# Altium PCB Graviton-EC2-Simplified.PcbDoc (part 7 of 9)
Units mm, origin at the board's own origin, x right, y up, seen from the top; angles counter-clockwise.
Board outline 200 x 200 mm, 10 copper layers (Top Layer, Internal Plane 1, Signal Layer 1, Internal Plane 2, Signal Layer 2, Signal Layer 3, Internal Plane 3, Signal Layer 4, Internal Plane 4, Bottom Layer), stack 1.674 mm thick; 774 components, 1540 nets, 6310 pads, 1698 vias.
Unrouted connection lines stored in the file: 74.
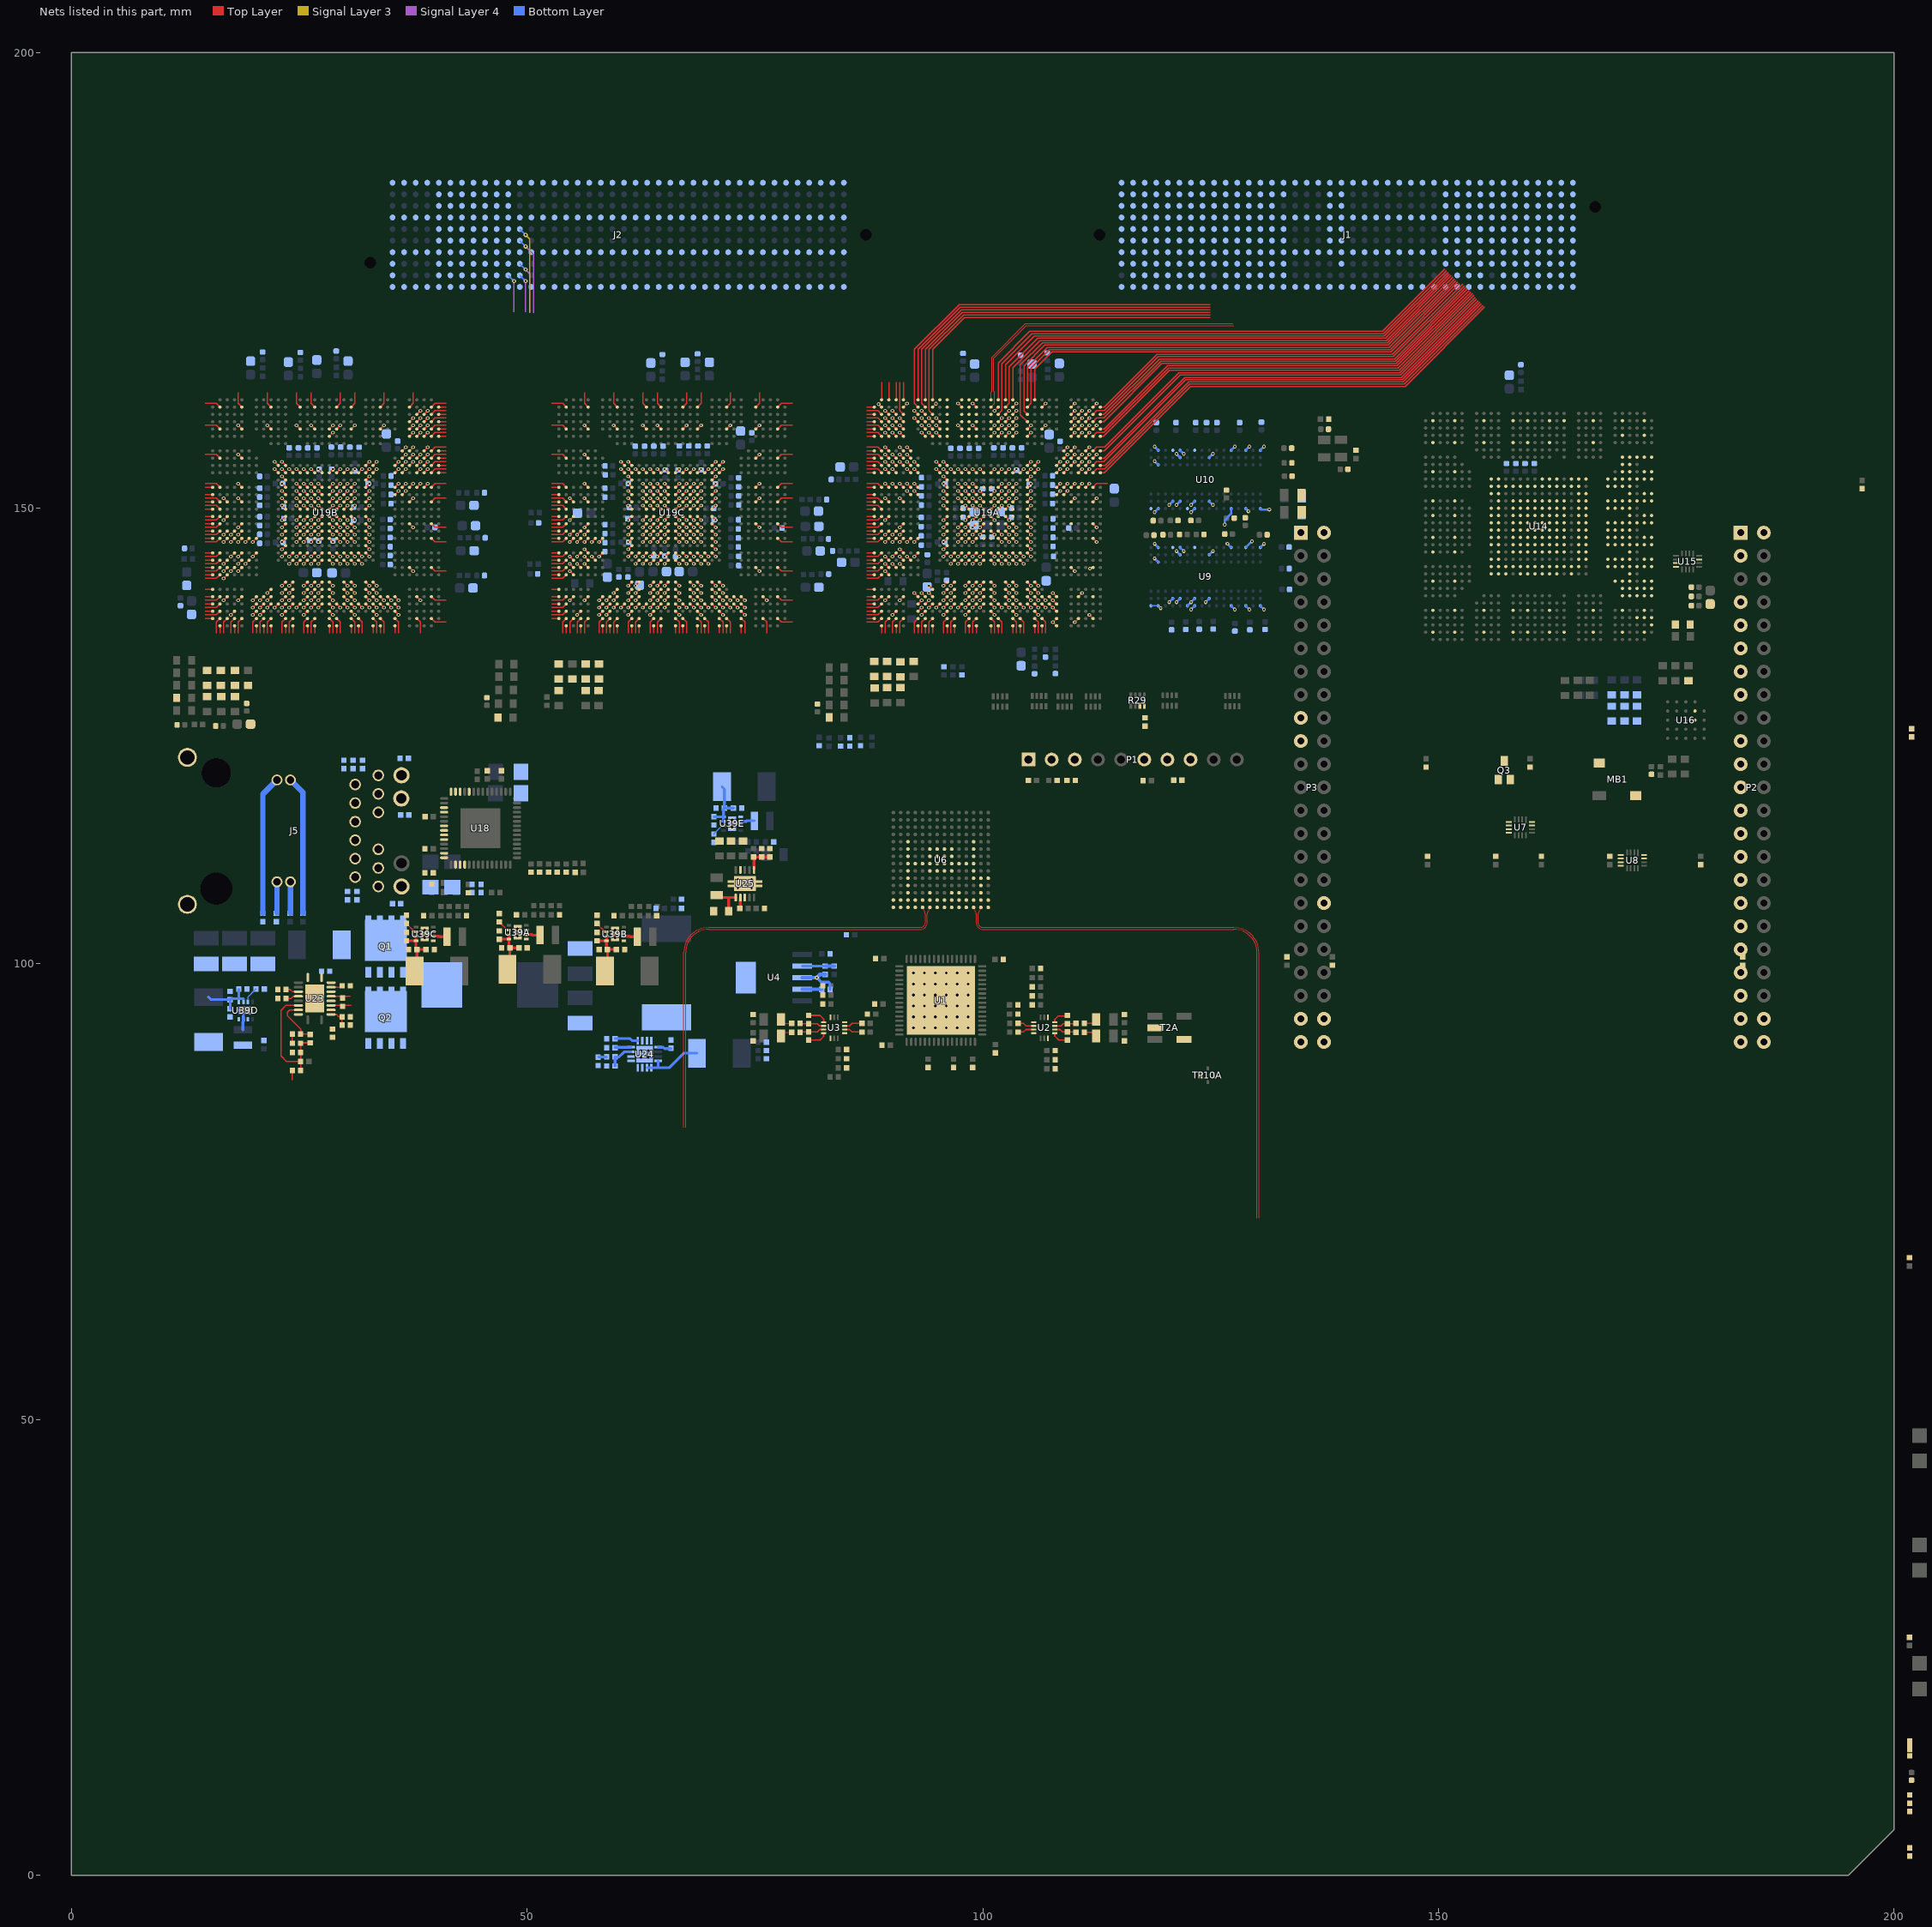
[diagram p15: the nets of this part, all layers, seen from the top]

## Via types
v1: diameter 0.406, hole 0.203, Top Layer to Bottom Layer, 1443 vias
v2: diameter 0.406, hole 0.203, Top Layer to Bottom Layer, tented top, 173 vias
v3: diameter 0.66, hole 0.305, Top Layer to Bottom Layer, tented top, 36 vias
v4: diameter 0.457, hole 0.203, Top Layer to Bottom Layer, 29 vias
v5: diameter 0.6, hole 0.3, Top Layer to Bottom Layer, 10 vias
v6: diameter 0.457, hole 0.203, Top Layer to Bottom Layer, tented bottom, 5 vias
v7: diameter 0.406, hole 0.203, Top Layer to Bottom Layer, tented both sides, 2 vias

## Nets (pads, with @x,y where several pads share a name; then routed paths per layer and width w, separated by ;. In a path a pad name is that pad's centre, name@x,y a point inside that pad or via, vN(x,y) a via of type N, cw(c..) or ccw(c..) an arc to the next point about the centre after c; other vN are vias at no path point) (continued)
GND: (continued)
  Bottom Layer w0.254: U9.F9@122.46,139.294 v2(122.86,139.694) ; v2(124.466,139.7) U9.J8@124.86,140.094 ; v2(126.562,148.209) 126.562,148.695 127.26,149.393 U10.M9@127.26,149.962 ; v2(126.855,146.1) U9.M1@127.26,145.694 ; U9.P1@128.861,145.694 v2(129.54,146.374) ; U10.P9@128.867,149.962 v2(129.159,149.669) ; U10.T9@130.467,149.962 U10.T9@130.461,149.962 ccw(c130.562,149.962) 130.562,149.86 v2(131.445,149.86)
  Bottom Layer w0.3: v4(81.8,98.5) 82.3,98 83.1,98 83.255,97.845 C33.1@83.255,97.2
  Bottom Layer w0.4: U4.3@80.2,98.5 v4(81.8,98.5) 82.145,98.845 C26.1@82.7,98.845
  other v2: 122.86,138.894 127.66,138.894 129.261,138.894 130.861,138.894 119.532,139.04 120.459,139.694 121.26,139.694 118.859,144.494 121.26,145.294 122.06,145.294 125.26,145.294 118.859,146.094 130.861,146.094 118.859,149.562 122.86,149.562 120.459,150.362 121.26,150.362 122.86,150.362 125.26,150.362 118.859,155.162 121.26,155.962 122.06,155.962 125.26,155.962 118.859,156.762 127.66,156.762 129.261,156.762 130.861,156.762
  other v3: 92.4,93 93.6,93 94.8,93 96,93 97.2,93 98.4,93 92.4,94.2 93.6,94.2 94.8,94.2 96,94.2 97.2,94.2 98.4,94.2 92.4,95.4 93.6,95.4 94.8,95.4 96,95.4 97.2,95.4 98.4,95.4 92.4,96.6 93.6,96.6 94.8,96.6 96,96.6 97.2,96.6 98.4,96.6 92.4,97.8 93.6,97.8 94.8,97.8 96,97.8 97.2,97.8 98.4,97.8 92.4,99 93.6,99 94.8,99 96,99 97.2,99 98.4,99
  other v5: 18.716,94.884 19.516,94.884 38.764,102.891 59.664,102.891 48.964,103.066 38.764,103.691 59.664,103.691 48.964,103.866 72.5,115 72.5,115.8
  other v6: 73.15,108.3 74.65,108.3 73.9,108.8 73.15,109.3 74.65,109.3
GNDA_ADC: P3.34
GPIO6.D0A: U19A.AB4 | length 0.6
  Top Layer w0.127: v1(90.1,144.7) U19A.AB4@90.5,145.1
GPIO6.D0B: U19B.AB4 | length 0.6
  Top Layer w0.127: v1(17.5,144.7) U19B.AB4@17.9,145.1
GPIO6.D0C: U19C.AB4 | length 0.6
  Top Layer w0.127: v1(55.5,144.7) U19C.AB4@55.9,145.1
GPIO6.D1A: U19A.AC5 | length 0.6
  Top Layer w0.127: v1(90.9,144.7) U19A.AC5@91.3,144.3
GPIO6.D1B: U19B.AC5 | length 0.6
  Top Layer w0.127: v1(18.3,143.9) U19B.AC5@18.7,144.3
GPIO6.D1C: U19C.AC5 | length 0.6
  Top Layer w0.127: v1(56.3,144.7) U19C.AC5@56.7,144.3
GPIO6.D2A: U19A.AD4 | length 0.6
  Top Layer w0.127: v1(90.1,143.9) U19A.AD4@90.5,143.5
GPIO6.D2B: U19B.AD4 | length 0.6
  Top Layer w0.127: v1(17.5,143.1) U19B.AD4@17.9,143.5
GPIO6.D2C: U19C.AD4 | length 0.6
  Top Layer w0.127: v1(55.5,143.9) U19C.AD4@55.9,143.5
GPIO6.D3A: U19A.W2 | length 1.8
  Top Layer w0.12: 87.285,147.1 88.5,147.1 U19A.W2@88.9,147.5
GPIO6.D3B: U19B.W2 | length 1.8
  Top Layer w0.12: 14.685,147.1 15.9,147.1 U19B.W2@16.3,147.5
GPIO6.D3C: U19C.W2 | length 1.8
  Top Layer w0.12: 52.685,147.1 53.9,147.1 U19C.W2@54.3,147.5
GPIO6.D4A: U19A.Y1 | length 0.8
  Top Layer w0.12: 87.285,146.7 U19A.Y1@88.1,146.7
GPIO6.D4B: U19B.Y1 | length 0.8
  Top Layer w0.12: 14.685,146.7 U19B.Y1@15.5,146.7
GPIO6.D4C: U19C.Y1 | length 0.8
  Top Layer w0.12: 52.685,146.7 U19C.Y1@53.5,146.7
GPIO6.D5A: U19A.AD3 | length 0.6
  Top Layer w0.127: v1(89.3,143.9) U19A.AD3@89.7,143.5
GPIO6.D5B: U19B.AD3 | length 0.6
  Top Layer w0.127: v1(16.7,143.1) U19B.AD3@17.1,143.5
GPIO6.D5C: U19C.AD3 | length 0.6
  Top Layer w0.127: v1(54.7,143.9) U19C.AD3@55.1,143.5
GPIO6.D6A: U19A.AE3 | length 0.6
  Top Layer w0.127: v1(89.3,143.1) U19A.AE3@89.7,142.7
GPIO6.D6B: U19B.AE3 | length 0.6
  Top Layer w0.127: v1(16.7,142.3) U19B.AE3@17.1,142.7
GPIO6.D6C: U19C.AE3 | length 0.6
  Top Layer w0.127: v1(54.7,143.1) U19C.AE3@55.1,142.7
GPIO6.D7A: U19A.AC3 | length 0.6
  Top Layer w0.127: v1(89.3,144.7) U19A.AC3@89.7,144.3
GPIO6.D7B: U19B.AC3 | length 0.6
  Top Layer w0.127: v1(16.7,143.9) U19B.AC3@17.1,144.3
GPIO6.D7C: U19C.AC3 | length 0.6
  Top Layer w0.127: v1(54.7,144.7) U19C.AC3@55.1,144.3
GPIO6.D8A: U19A.AB2 | length 1.8
  Top Layer w0.12: 87.285,144.7 88.5,144.7 U19A.AB2@88.9,145.1
GPIO6.D8B: U19B.AB2 | length 1.8
  Top Layer w0.12: 14.685,144.7 15.9,144.7 U19B.AB2@16.3,145.1
GPIO6.D8C: U19C.AB2 | length 1.8
  Top Layer w0.12: 52.685,144.7 53.9,144.7 U19C.AB2@54.3,145.1
GPIO6.D9A: U19A.AC2 | length 1.8
  Top Layer w0.12: 87.285,143.9 88.5,143.9 U19A.AC2@88.9,144.3
GPIO6.D9B: U19B.AC2 | length 1.8
  Top Layer w0.12: 14.685,143.9 15.9,143.9 U19B.AC2@16.3,144.3
GPIO6.D9C: U19C.AC2 | length 1.8
  Top Layer w0.12: 52.685,143.9 53.9,143.9 U19C.AC2@54.3,144.3
GPIO6.D10A: U19A.AE2 | length 1.8
  Top Layer w0.12: 87.285,142.3 88.5,142.3 U19A.AE2@88.9,142.7
GPIO6.D10B: U19B.AE2 | length 1.8
  Top Layer w0.12: 14.685,142.3 15.9,142.3 U19B.AE2@16.3,142.7
GPIO6.D10C: U19C.AE2 | length 1.8
  Top Layer w0.12: 52.685,142.3 53.9,142.3 U19C.AE2@54.3,142.7
GPIO6.D11A: U19A.AB1 | length 0.8
  Top Layer w0.12: 87.285,145.1 U19A.AB1@88.1,145.1
GPIO6.D11B: U19B.AB1 | length 0.8
  Top Layer w0.12: 14.685,145.1 U19B.AB1@15.5,145.1
GPIO6.D11C: U19C.AB1 | length 0.8
  Top Layer w0.12: 52.685,145.1 U19C.AB1@53.5,145.1
GPIO6.D12A: U19A.AC1 | length 0.8
  Top Layer w0.12: 87.285,144.3 U19A.AC1@88.1,144.3
GPIO6.D12B: U19B.AC1 | length 0.8
  Top Layer w0.12: 14.685,144.3 U19B.AC1@15.5,144.3
GPIO6.D12C: U19C.AC1 | length 0.8
  Top Layer w0.12: 52.685,144.3 U19C.AC1@53.5,144.3
GPIO6.D13A: U19A.AD1 | length 0.8
  Top Layer w0.12: 87.285,143.5 U19A.AD1@88.1,143.5
GPIO6.D13B: U19B.AD1 | length 0.8
  Top Layer w0.12: 14.685,143.5 U19B.AD1@15.5,143.5
GPIO6.D13C: U19C.AD1 | length 0.8
  Top Layer w0.12: 52.685,143.5 U19C.AD1@53.5,143.5
GPIO6.D14A: U19A.AE1 | length 0.8
  Top Layer w0.12: 87.285,142.7 U19A.AE1@88.1,142.7
GPIO6.D14B: U19B.AE1 | length 0.8
  Top Layer w0.12: 14.685,142.7 U19B.AE1@15.5,142.7
GPIO6.D14C: U19C.AE1 | length 0.8
  Top Layer w0.12: 52.685,142.7 U19C.AE1@53.5,142.7
GPIO8.D0A: U19A.AG1 | length 0.8
  Top Layer w0.12: 87.285,141.1 U19A.AG1@88.1,141.1
GPIO8.D0B: U19B.AG1 U19C.AG1 | length 1.6
  Top Layer w0.12: 14.685,141.1 U19B.AG1@15.5,141.1 ; 52.685,141.1 U19C.AG1@53.5,141.1
GPIO8.D1A: U19A.AH1 | length 0.8
  Top Layer w0.12: 87.285,140.3 U19A.AH1@88.1,140.3
GPIO8.D1B: U19B.AH1 U19C.AH1 | length 1.6
  Top Layer w0.12: 14.685,140.3 U19B.AH1@15.5,140.3 ; 52.685,140.3 U19C.AH1@53.5,140.3
GPIO8.D2A: U19A.AJ1 | length 0.8
  Top Layer w0.12: 87.285,139.5 U19A.AJ1@88.1,139.5
GPIO8.D2B: U19B.AJ1 U19C.AJ1 | length 1.6
  Top Layer w0.12: 14.685,139.5 U19B.AJ1@15.5,139.5 ; 52.685,139.5 U19C.AJ1@53.5,139.5
GPIO8.D3A: U19A.AK1 | length 0.8
  Top Layer w0.12: 87.285,138.7 U19A.AK1@88.1,138.7
GPIO8.D3B: U19B.AK1 U19C.AK1 | length 1.6
  Top Layer w0.12: 14.685,138.7 U19B.AK1@15.5,138.7 ; 52.685,138.7 U19C.AK1@53.5,138.7
GPIO8.D4A: U19A.AL1 | length 0.8
  Top Layer w0.12: 87.285,137.9 U19A.AL1@88.1,137.9
GPIO8.D4B: U19B.AL1 U19C.AL1 | length 1.6
  Top Layer w0.12: 14.685,137.9 U19B.AL1@15.5,137.9 ; 52.685,137.9 U19C.AL1@53.5,137.9
GPIO8.D5A: U19A.AM2 | length 0.8
  Top Layer w0.12: 88.9,136.285 U19A.AM2@88.9,137.1
GPIO8.D5B: U19B.AM2 U19C.AM2 | length 1.6
  Top Layer w0.12: 16.3,136.285 U19B.AM2@16.3,137.1 ; 54.3,136.285 U19C.AM2@54.3,137.1
GPIO8.D6A: U19A.AH3 | length 0.6
  Top Layer w0.127: v1(89.3,139.9) U19A.AH3@89.7,140.3
GPIO8.D6B: U19B.AH3 U19C.AH3 | length 1.1
  Top Layer w0.127: v1(16.7,139.9) U19B.AH3@17.1,140.3 ; v1(54.7,139.9) U19C.AH3@55.1,140.3
GPIO8.D7A: U19A.AL3 | length 1.8
  Top Layer w0.12: 89.3,136.285 89.3,137.5 U19A.AL3@89.7,137.9
GPIO8.D7B: U19B.AL3 U19C.AL3 | length 3.6
  Top Layer w0.12: 16.7,136.285 16.7,137.5 U19B.AL3@17.1,137.9 ; 54.7,136.285 54.7,137.5 U19C.AL3@55.1,137.9
GPMC.S0: J1.252 P2.3 U19A.R3 U19B.R3 U19C.R3 | length 1.7
  Top Layer w0.127: v1(16.7,151.1) U19B.R3@17.1,150.7 ; v1(54.7,151.1) U19C.R3@55.1,150.7 ; v1(89.3,151.1) U19A.R3@89.7,150.7
GPMC.S2: J1.255 P2.7 U19A.N1 U19B.N1 U19C.N1 | length 2.4
  Top Layer w0.12: 14.685,152.3 U19B.N1@15.5,152.3 ; 52.685,152.3 U19C.N1@53.5,152.3 ; 87.285,152.3 U19A.N1@88.1,152.3
GPMC.S3: J1.256 P2.9 U19A.P1 U19B.P1 U19C.P1 | length 2.4
  Top Layer w0.12: 14.685,151.5 U19B.P1@15.5,151.5 ; 52.685,151.5 U19C.P1@53.5,151.5 ; 87.285,151.5 U19A.P1@88.1,151.5
GPMC.S4: J1.258 P2.11 U19A.U2 U19B.U2 U19C.U2 | length 5.3
  Top Layer w0.12: 14.685,148.7 15.9,148.7 U19B.U2@16.3,149.1 ; 52.685,148.7 53.9,148.7 U19C.U2@54.3,149.1 ; 87.285,148.7 88.5,148.7 U19A.U2@88.9,149.1
GPMC.S5: J1.259 P2.13 U19A.U3 U19B.U3 U19C.U3 | length 1.7
  Top Layer w0.127: v1(16.7,148.7) U19B.U3@17.1,149.1 ; v1(54.7,148.7) U19C.U3@55.1,149.1 ; v1(89.3,148.7) U19A.U3@89.7,149.1
GPMC.S6: J1.262 P2.15 U19A.R1 U19B.R1 U19C.R1 | length 2.4
  Top Layer w0.12: 14.685,150.7 U19B.R1@15.5,150.7 ; 52.685,150.7 U19C.R1@53.5,150.7 ; 87.285,150.7 U19A.R1@88.1,150.7
GPMC.S7: J1.263 P2.19 U19A.T2 U19B.T2 U19C.T2 | length 5.3
  Top Layer w0.12: 14.685,150.3 15.9,150.3 U19B.T2@16.3,149.9 ; 52.685,150.3 53.9,150.3 U19C.T2@54.3,149.9 ; 87.285,150.3 88.5,150.3 U19A.T2@88.9,149.9
GPMC.S8: J1.265 P2.21 U19A.W3 U19B.W3 U19C.W3 | length 1.7
  Top Layer w0.127: v1(16.7,147.1) U19B.W3@17.1,147.5 ; v1(54.7,147.1) U19C.W3@55.1,147.5 ; v1(89.3,147.1) U19A.W3@89.7,147.5
GPMC.S9: J1.266 P2.23 U19A.Y3 U19B.Y3 U19C.Y3 | length 1.7
  Top Layer w0.127: v1(16.7,146.3) U19B.Y3@17.1,146.7 ; v1(54.7,146.3) U19C.Y3@55.1,146.7 ; v1(89.3,146.3) U19A.Y3@89.7,146.7
GPMC.S10: J1.268 P2.25 U19A.T1 U19B.T1 U19C.T1 | length 2.4
  Top Layer w0.12: 14.685,149.9 U19B.T1@15.5,149.9 ; 52.685,149.9 U19C.T1@53.5,149.9 ; 87.285,149.9 U19A.T1@88.1,149.9
GPMC.S11: J1.269 P2.27 U19A.U1 U19B.U1 U19C.U1 | length 2.4
  Top Layer w0.12: 14.685,149.1 U19B.U1@15.5,149.1 ; 52.685,149.1 U19C.U1@53.5,149.1 ; 87.285,149.1 U19A.U1@88.1,149.1
GPMC.S12: J1.272 P2.29 U19A.V1 U19B.V1 U19C.V1 | length 2.4
  Top Layer w0.12: 14.685,148.3 U19B.V1@15.5,148.3 ; 52.685,148.3 U19C.V1@53.5,148.3 ; 87.285,148.3 U19A.V1@88.1,148.3
GPMC.S13: J1.273 P2.31 U19A.W1 U19B.W1 U19C.W1 | length 2.4
  Top Layer w0.12: 14.685,147.5 U19B.W1@15.5,147.5 ; 52.685,147.5 U19C.W1@53.5,147.5 ; 87.285,147.5 U19A.W1@88.1,147.5
GPMC.S14: J1.275 P2.33 U19A.Y7 U19B.Y7 U19C.Y7 | length 1.7
  Top Layer w0.127: v1(19.9,146.3) U19B.Y7@20.3,146.7 ; v1(57.9,146.3) U19C.Y7@58.3,146.7 ; v1(92.5,146.3) U19A.Y7@92.9,146.7
GPMC.S15: J1.276 P2.35 U19A.Y6 U19B.Y6 U19C.Y6 | length 1.7
  Top Layer w0.127: v1(19.1,146.3) U19B.Y6@19.5,146.7 ; v1(57.1,146.3) U19C.Y6@57.5,146.7 ; v1(91.7,146.3) U19A.Y6@92.1,146.7
GPMC.S16: J1.278 P2.37 U19A.Y5 U19B.Y5 U19C.Y5 | length 1.7
  Top Layer w0.127: v1(18.3,146.3) U19B.Y5@18.7,146.7 ; v1(56.3,146.3) U19C.Y5@56.7,146.7 ; v1(90.9,146.3) U19A.Y5@91.3,146.7
GPMC.S17: J1.279 P2.39 U19A.W5 U19B.W5 U19C.W5 | length 1.7
  Top Layer w0.127: v1(18.3,147.1) U19B.W5@18.7,147.5 ; v1(56.3,147.1) U19C.W5@56.7,147.5 ; v1(90.9,147.1) U19A.W5@91.3,147.5
GPMC.S18: J1.202 P2.41 U19A.Y4 U19B.Y4 U19C.Y4 | length 1.7
  Top Layer w0.127: v1(17.5,146.3) U19B.Y4@17.9,146.7 ; v1(55.5,146.3) U19C.Y4@55.9,146.7 ; v1(90.1,146.3) U19A.Y4@90.5,146.7
GPMC.S19: J1.203 P2.43 U19A.W4 U19B.W4 U19C.W4 | length 1.7
  Top Layer w0.127: v1(17.5,147.1) U19B.W4@17.9,147.5 ; v1(55.5,147.1) U19C.W4@55.9,147.5 ; v1(90.1,147.1) U19A.W4@90.5,147.5
GPMC.S20: J1.205 P2.45 U19A.AB7 U19B.AB7 U19C.AB7 | length 1.7
  Top Layer w0.127: v1(19.9,144.7) U19B.AB7@20.3,145.1 ; v1(57.9,144.7) U19C.AB7@58.3,145.1 ; v1(92.5,144.7) U19A.AB7@92.9,145.1
GPMC.S21: J1.206 P2.44 U19A.AC6 U19B.AC6 U19C.AC6 | length 1.7
  Top Layer w0.127: v1(19.1,143.9) U19B.AC6@19.5,144.3 ; v1(57.1,144.7) U19C.AC6@57.5,144.3 ; v1(91.7,144.7) U19A.AC6@92.1,144.3
GPMC.S22: J1.208 P2.46 U19A.AB5 U19B.AB5 U19C.AB5 | length 1.7
  Top Layer w0.127: v1(18.3,144.7) U19B.AB5@18.7,145.1 ; v1(56.3,145.5) U19C.AB5@56.7,145.1 ; v1(90.9,145.5) U19A.AB5@91.3,145.1
I2C1-SCL-EXT: P3.17
I2C2-SCL-EXT: P3.19
INTER-JTAG.TCK: J1.215 J6.3 J7A.5 J7B.5 J7C.5 P1.8 R24.1
INTER-JTAG.TDI: J1.212 J7A.7 R165.1
INTER-JTAG.TDO: J1.216 P1.2 R30.1 R165.2
INTER-JTAG.TMS: J1.213 J6.5 J7A.3 J7B.3 J7C.3 P1.6 R164.1
IOUTA_N: R19.2 U6.C14 | length 63.5
  Top Layer w0.076: U6.C14@99,106.2 ccw(c99.575,106.2) 99.168,105.794 cw(c98.854,105.479) 99.298,105.479 99.298,104.5 ccw(c100.001,104.5) 100.001,103.797 127.56,103.797 cw(c127.56,101.257) 130.1,101.257 130.1,72.14
IOUTA_P: R15.1 U6.B14 | length 63.5
  Top Layer w0.076: U6.B14@99.8,106.2 cw(c99.225,106.2) 99.632,105.794 ccw(c99.946,105.479) 99.501,105.479 99.501,104.5 ccw(c100.001,104.5) 100.001,104 127.56,104 cw(c127.56,101.257) 130.303,101.257 130.303,72.14
IOUTB_N: R20.2 U6.E14
IOUTB_P: R16.1 U6.F14
IOUTC_N: R21.2 U6.K14 | length 49.3
  Top Layer w0.076: 67.197,82.04 67.197,101.257 cw(c69.94,101.257) 69.94,104 93.198,104 ccw(c93.198,104.5) 93.698,104.5 93.698,105.479 ccw(c93.254,105.479) 93.568,105.794 cw(c93.975,106.2) U6.K14@93.4,106.2
IOUTC_P: R17.1 U6.J14 | length 49.3
  Top Layer w0.076: 67.4,82.04 67.4,101.257 cw(c69.94,101.257) 69.94,103.797 93.198,103.797 ccw(c93.198,104.5) 93.901,104.5 93.901,105.479 cw(c94.346,105.479) 94.032,105.794 ccw(c93.625,106.2) U6.J14@94.2,106.2
IOUTD_N: R22.2 U6.M14
IOUTD_P: R18.1 U6.N14
JTAG.TDI: J6.9 P1.3 R100.1
LED0: R65.2 U18.14
LED1: R64.2 U18.13
LED2: R63.2
LED3: U18.12
LNA-SHDNA: 
LNA-SHDNB: 
LNA-SHDNC: 
LNA-SHDND: C393D.2
LO-OSC_N: 
LO-OSC_P: 
MCLK: R43.2 R53.1 U16.B2
MDI0_N: J5.10 U18.27
MDI0_P: J5.11 U18.28
MDI1_N: J5.5 U18.23
MDI1_P: J5.4 U18.24
MDI2_N: J5.2 U18.21
MDI2_P: J5.3 U18.22
MDI3_N: J5.9 U18.17
MDI3_P: J5.8 U18.18
MISOA: U19A.AJ2 | length 1.8
  Top Layer w0.12: 87.285,139.1 88.5,139.1 U19A.AJ2@88.9,139.5
MISOB: U19B.AJ2 | length 1.8
  Top Layer w0.12: 14.685,139.1 15.9,139.1 U19B.AJ2@16.3,139.5
MISOC: U19C.AJ2 | length 1.8
  Top Layer w0.12: 52.685,139.1 53.9,139.1 U19C.AJ2@54.3,139.5
MOSIA: U19A.AK2 | length 1.8
  Top Layer w0.12: 87.285,138.3 88.5,138.3 U19A.AK2@88.9,138.7
MOSIB: U19B.AK2 | length 1.8
  Top Layer w0.12: 14.685,138.3 15.9,138.3 U19B.AK2@16.3,138.7
MOSIC: U19C.AK2 | length 1.8
  Top Layer w0.12: 52.685,138.3 53.9,138.3 U19C.AK2@54.3,138.7
NC-GPMC.S0: U19A.C17
NC-GPMC.S1: U19A.D17
NC-GPMC.S2: U19A.A10
NC-GPMC.S3: U19A.F11
NC-GPMC.S4: U19A.E11
NC-GPMC.S5: U19A.D11
NC-GPMC.S6: U19A.C11
NC-GPMC.S7: U19A.B11
NC-GPMC.S8: U19A.A11
NC-GPMC.S9: U19A.F13
NC-GPMC.S10: U19A.D13
NC-GPMC.S11: U19A.C13
NC-GPMC.S12: U19A.A13
NC-GPMC.S13: U19A.F14
NC-GPMC.S14: U19A.E14
NC-GPMC.S15: U19A.D14
NC-GPMC.S16: U19A.C14
NC-GPMC.S17: U19A.B14
NC-GPMC.S18: U19A.A14
NC-GPMC.S19: U19A.F15
NC-GPMC.S20: U19A.D15
NC-GPMC.S21: U19A.C15
NC-GPMC.S22: U19A.A15
NetC19_2: C19.2 R3.2 | length 1
  Top Layer w0.152: R3.2@111.155,92.5 C19.2@112.145,92.5
NetC20_2: C20.2 R5.2 | length 1
  Top Layer w0.152: R5.2@111.155,93.5 C20.2@112.145,93.5
NetC24_2: C24.2 R9.2 | length 1.4
  Top Layer w0.076: C24.2@77.855,93.9 78.255,93.5 R9.2@79.045,93.5
NetC25_2: C25.2 R11.2 | length 0.8
  Top Layer w0.076: C25.2@78.255,92.5 R11.2@79.045,92.5
NetC26_2: C26.2 L3.2 U4.2 | length 3.5
  Bottom Layer w0.3: U4.2@80.2,99.77 C26.2@82.685,99.77
  Bottom Layer w0.4: C26.2@82.7,99.755 L3.2@83.7,99.755
NetC33_2: C33.2 U4.4 | length 2.1
  Bottom Layer w0.4: U4.4@80.2,97.23 C33.2@82.315,97.23
NetC34_2: 
NetC49_1: 
NetC49_2: 
NetC50_1: 
NetC56_2: 
NetC62_1: 
NetC67_1: 
NetC72A_1: 
NetC72A_2: 
NetC72B_1: 
NetC72B_2: 
NetC77A_1: 
NetC77A_2: 
NetC77B_1: 
NetC77B_2: 
NetC78_2: 
NetC79_2: 
NetC84A_1: 
NetC84B_1: 
NetC86_1: 
NetC114_2: C114.2 R29.7 R29.8
NetC154A_1: 
NetC154B_1: 
NetC190A_2: C190A.2 C191A.2 C192A.2 F8A.2 U39A.7 U39A.8 | length 6
  Top Layer w0.3: C190A.2@46.969,102.716 U39A.8@48.014,102.716 ; F8A.2@47.845,99.4 48.119,99.674 C192A.2@48.119,101.766 ; U39A.7@48.014,103.216 U39A.8@48.014,102.716 ; C191A.2@49.109,101.766 C192A.2@48.119,101.766 ; U39A.8@48.014,102.716 48.014,101.871 C192A.2@48.119,101.766
NetC190B_2: C190B.2 C191B.2 C192B.2 F8B.2 U39B.7 U39B.8 | length 6
  Top Layer w0.3: C190B.2@57.669,102.541 U39B.8@58.714,102.541 ; F8B.2@58.545,99.225 58.819,99.499 C192B.2@58.819,101.591 ; U39B.7@58.714,103.041 U39B.8@58.714,102.541 ; C191B.2@59.809,101.591 C192B.2@58.819,101.591 ; U39B.8@58.714,102.541 58.714,101.696 C192B.2@58.819,101.591
NetC190C_2: C190C.2 C191C.2 C192C.2 F8C.2 U39C.7 U39C.8 | length 6
  Top Layer w0.3: C190C.2@36.769,102.541 U39C.8@37.814,102.541 ; F8C.2@37.645,99.225 37.919,99.499 C192C.2@37.919,101.591 ; U39C.7@37.814,103.041 U39C.8@37.814,102.541 ; C191C.2@38.909,101.591 C192C.2@37.919,101.591 ; U39C.8@37.814,102.541 37.814,101.696 C192C.2@37.919,101.591
NetC190D_2: C190D.2 C191D.2 C192D.2 F8D.2 U39D.7 U39D.8 | length 6
  Bottom Layer w0.3: 15.05,96.355 15.324,96.081 17.416,96.081 ; 17.416,95.091 17.416,96.081 ; C190D.2@18.366,97.231 18.366,96.186 ; 18.866,96.186 18.366,96.186 ; 17.416,96.081 17.521,96.186 18.366,96.186
NetC190E_2: C190E.2 C191E.2 C192E.2 F8E.2 U39E.7 U39E.8 | length 6
  Bottom Layer w0.3: C190E.2@70.505,116.15 U39E.8@71.55,116.15 ; F8E.2@71.381,119.466 71.655,119.192 C192E.2@71.655,117.1 ; U39E.7@71.55,115.65 U39E.8@71.55,116.15 ; C191E.2@72.645,117.1 C192E.2@71.655,117.1 ; U39E.8@71.55,116.15 71.55,116.995 C192E.2@71.655,117.1
NetC200A_1: 
NetC200B_1: 
NetC200C_1: 
NetC200D_1: 
NetC201A_1: 
NetC201B_1: 
NetC201C_1: 
NetC201D_1: 
NetC202A_1: 
NetC202B_1: 
NetC202C_1: 
NetC202D_1: 
NetC203A_1: 
NetC203B_1: 
NetC203C_1: 
NetC203D_1: 
NetC215_2: C215.2 C216.2 C217.2 C218.2 C219.2 J5.1 J5.6 J5.7 J5.12
NetC295_1: 
NetC295_2: 
NetC296_1: 
NetC296_2: 
NetC297_1: 
NetC297_2: 
NetC298_2: 
NetC300_2: 
NetC301_2: 
NetC302_2: 
NetC303_2: 
NetC304_2: 
NetC305_2: 
NetC308_2: 
NetC313_1: 
NetC314_1: 
NetC315_1: 
NetC315_2: 
NetC316_1: 
NetC317_2: 
NetC318_2: 
NetC319_2: 
NetC329_1: C329.1 C330.2 L39.1 Q1.1 Q1.2 Q1.3 Q2.5 Q2.6 Q2.7 Q2.8 Q2.9 R93.1 U23.16 | length 2.1
  Top Layer w0.152: U23.16@28.445,96.45 30.56,96.45
NetC329_2: C329.2 U23.18 | length 1.3
  Top Layer w0.152: U23.18@28.445,97.45 C329.2@29.76,97.45
NetC330_1: C330.1 Q2.4 R93.2 U23.14 | length 2.2
  Top Layer w0.152: U23.14@28.445,95.45 R93.2@29.75,95.45 ; R93.2@29.755,95.445 30.655,95.445
NetC333_1: C333.1 R96.1 | length 1
  Top Layer w0.152: R96.1@24.245,91.3 C333.1@24.245,92.3
NetC333_2: C333.2 C335.2 U23.8 | length 5.3
  Top Layer w0.152: U23.8@24.91,94.95 23.95,94.95 23.7,94.7 23.7,94.3 25.155,92.845 C333.2@25.155,92.3 C335.2@26.155,92.3
NetC334_1: C334.1 C335.1 R96.2 R97.2 R99.1 U23.7 | length 13.6
  Top Layer w0.152: U23.7@24.91,95.45 23.55,95.45 23,94.9 23,89.9 23.6,89.3 R97.2@25.145,89.3 ; C334.1@25.155,88.3 R99.1@25.155,90.3 R96.2@25.155,91.3 25.2,91.345 C335.1@26.2,91.345
NetC334_2: C334.2 | length 1
  Top Layer w0.152: 24.245,87.3 C334.2@24.245,88.3
NetC339_1: C339.1 U24.13 | length 1.5
  Bottom Layer w0.3: U24.13@64.375,90.85 64.95,90.85 65.1,90.7 65.755,90.7 C339.1@65.8,90.745
NetC339_2: C339.2 L40.1 U24.10 U24.11 U24.12
NetC340_1: C340.1 R98.1 R101.2 U23.20
NetC344_1: C344.1 U23.5 | length 1.5
  Top Layer w0.152: C344.1@23.555,96.2 24.1,96.2 24.35,96.45 U23.5@24.91,96.45
NetC346_1: C346.1 U23.15
NetC347_1: C347.1 R104.2 U23.12 | length 2.3
  Top Layer w0.152: U23.12@28.445,94.45 29.105,94.45 29.355,94.2 R104.2@29.7,94.2 C347.1@29.7,93.3
NetC348_1: C348.1 U24.9 | length 2.6
  Bottom Layer w0.3: C348.1@59.655,91.8 61.3,91.8 61.525,91.575 U24.9@62.15,91.575
NetC349_1: C349.1 R105.2 | length 0.9
  Bottom Layer w0.3: C349.1@57.845,89.8 R105.2@58.745,89.8
NetC350_1: C350.1 R105.1 U24.7 | length 3
  Bottom Layer w0.3: C350.1@59.655,88.8 R105.1@59.655,89.8 60.1,89.8 60.65,90.35 U24.7@61.425,90.35
NetC354_1: C354.1 R109.1 R110.2 U25.1 | length 2.9
  Top Layer w0.3: R109.1@74.85,111.745 R110.2@75.75,111.745 C354.1@76.65,111.745 ; U25.1@74.9,110.4 R109.1@74.9,111.545
NetC363_2: C363.2 R113.1 U25.6 | length 3.3
  Top Layer w0.3: R113.1@71.045,107.3 U25.6@72.9,107.3 ; C363.2@72.12,105.8 72.12,107.28
NetC379A_2: C379A.2 C380A.2
NetC379B_2: C379B.2 C380B.2 FB11B.1
NetC383A_2: C383A.2 FB12A.1 U31A.A1 U31A.A2
NetC383B_2: C383B.2 FB12B.1 U31B.A1 U31B.A2
NetC383C_2: C383C.2 FB12C.1 U31C.A1 U31C.A2
NetC383D_2: C383D.2 FB12D.1 U31D.A1 U31D.A2
NetC388A_2: 
NetC388B_2: 
NetC388C_2: 
NetC388D_2: 
NetC390A_1: 
NetC390B_1: 
NetC390C_1: 
NetC390D_1: 
NetC391A_2: 
NetC391B_2: 
NetC391C_2: 